# KiCad board panel.opm-inline.kicad_pcb (continued)
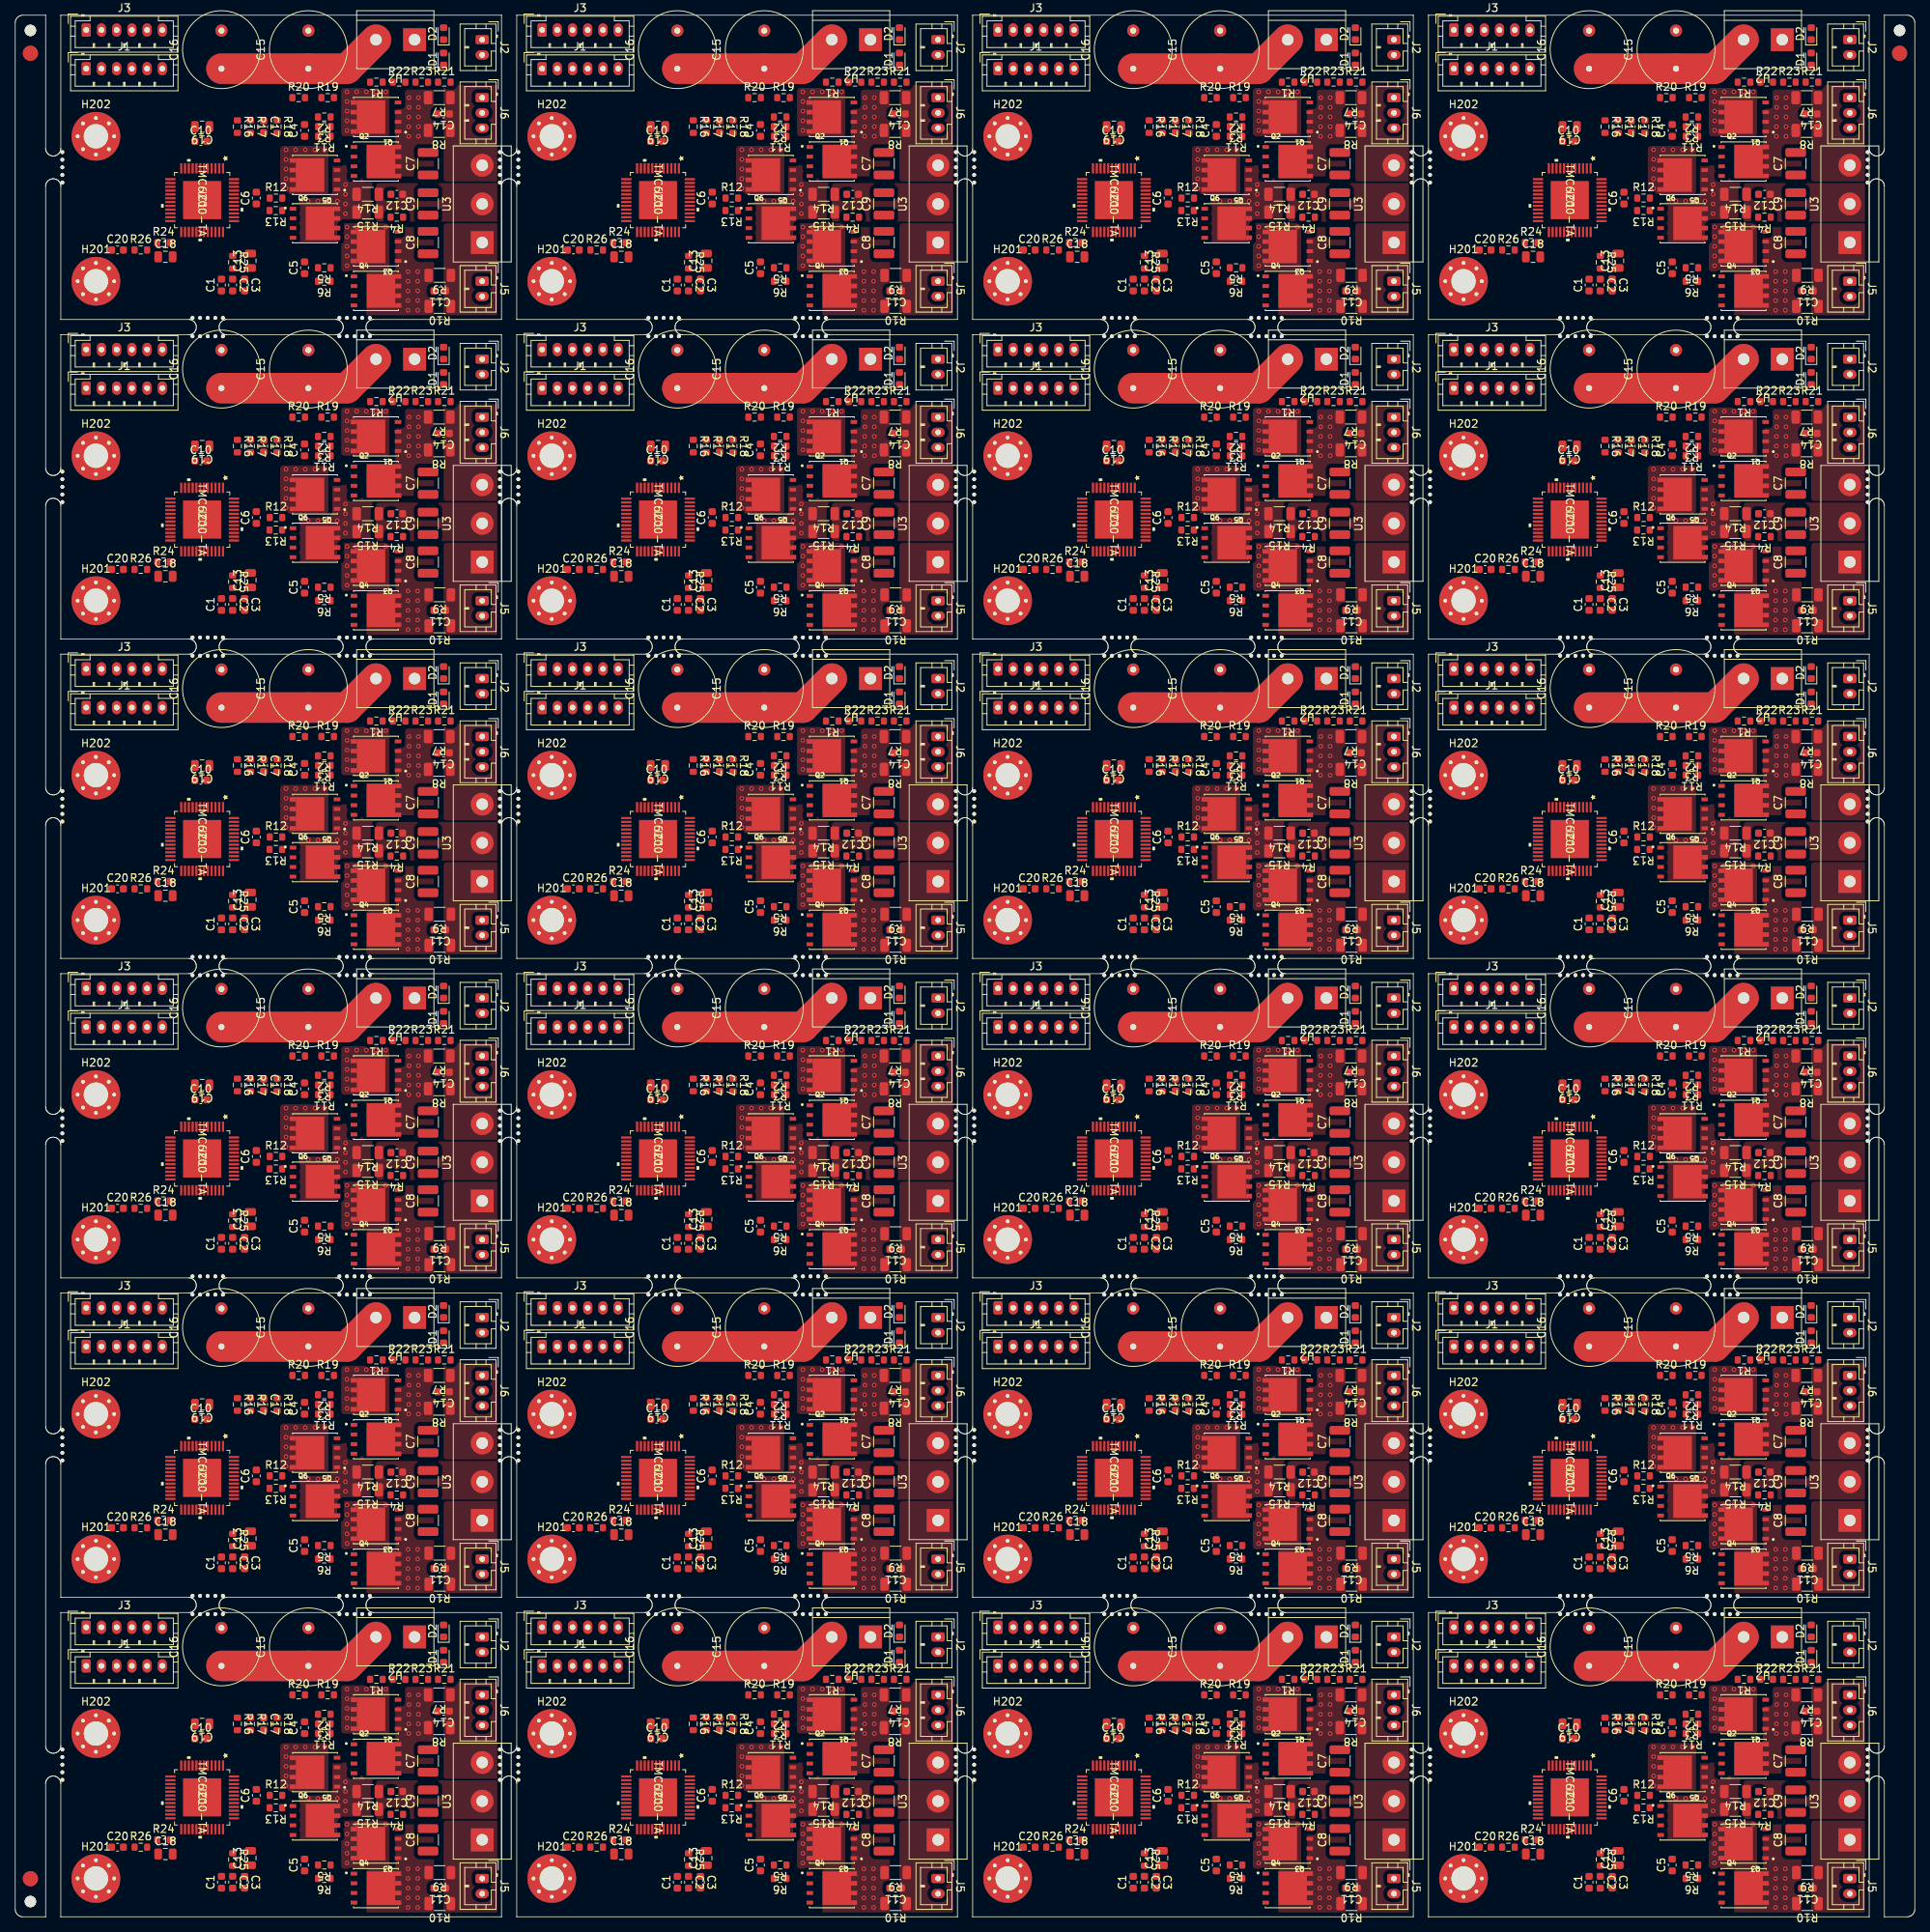
[diagram p0: board, top side]
## Nets
Board_0-/5Vout: C13.1 IC1.7 R25.1
Board_0-/12Vout: C19.1 IC1.6
Board_0-/Connectors/+VCC_IO: J2.1 R21.1 R23.1
Board_0-/Connectors/VCC: R19.2
Board_0-/Motor Driver/+VCC_IO: C20.1 IC1.19
Board_1-/5Vout: C13#2.1 IC1#2.7 R25#2.1
Board_1-/12Vout: C19#2.1 IC1#2.6
Board_1-/Connectors/+VCC_IO: J2#2.1 R21#2.1 R23#2.1
Board_1-/Connectors/VCC: R19#2.2
Board_1-/Motor Driver/+VCC_IO: C20#2.1 IC1#2.19
Board_2-/5Vout: C13#3.1 IC1#3.7 R25#3.1
Board_2-/12Vout: C19#3.1 IC1#3.6
Board_2-/Connectors/+VCC_IO: J2#3.1 R21#3.1 R23#3.1
Board_2-/Connectors/VCC: R19#3.2
Board_2-/Motor Driver/+VCC_IO: C20#3.1 IC1#3.19
Board_3-/5Vout: C13#4.1 IC1#4.7 R25#4.1
Board_3-/12Vout: C19#4.1 IC1#4.6
Board_3-/Connectors/+VCC_IO: J2#4.1 R21#4.1 R23#4.1
Board_3-/Connectors/VCC: R19#4.2
Board_3-/Motor Driver/+VCC_IO: C20#4.1 IC1#4.19
Board_4-/5Vout: C13#5.1 IC1#5.7 R25#5.1
Board_4-/12Vout: C19#5.1 IC1#5.6
Board_4-/Connectors/+VCC_IO: J2#5.1 R21#5.1 R23#5.1
Board_4-/Connectors/VCC: R19#5.2
Board_4-/Motor Driver/+VCC_IO: C20#5.1 IC1#5.19
Board_5-/5Vout: C13#6.1 IC1#6.7 R25#6.1
Board_5-/12Vout: C19#6.1 IC1#6.6
Board_5-/Connectors/+VCC_IO: J2#6.1 R21#6.1 R23#6.1
Board_5-/Connectors/VCC: R19#6.2
Board_5-/Motor Driver/+VCC_IO: C20#6.1 IC1#6.19
Board_6-/5Vout: C13#7.1 IC1#7.7 R25#7.1
Board_6-/12Vout: C19#7.1 IC1#7.6
Board_6-/Connectors/+VCC_IO: J2#7.1 R21#7.1 R23#7.1
Board_6-/Connectors/VCC: R19#7.2
Board_6-/Motor Driver/+VCC_IO: C20#7.1 IC1#7.19
Board_7-/5Vout: C13#8.1 IC1#8.7 R25#8.1
Board_7-/12Vout: C19#8.1 IC1#8.6
Board_7-/Connectors/+VCC_IO: J2#8.1 R21#8.1 R23#8.1
Board_7-/Connectors/VCC: R19#8.2
Board_7-/Motor Driver/+VCC_IO: C20#8.1 IC1#8.19
Board_8-/5Vout: C13#9.1 IC1#9.7 R25#9.1
Board_8-/12Vout: C19#9.1 IC1#9.6
Board_8-/Connectors/+VCC_IO: J2#9.1 R21#9.1 R23#9.1
Board_8-/Connectors/VCC: R19#9.2
Board_8-/Motor Driver/+VCC_IO: C20#9.1 IC1#9.19
Board_9-/5Vout: C13#10.1 IC1#10.7 R25#10.1
Board_9-/12Vout: C19#10.1 IC1#10.6
Board_9-/Connectors/+VCC_IO: J2#10.1 R21#10.1 R23#10.1
Board_9-/Connectors/VCC: R19#10.2
Board_9-/Motor Driver/+VCC_IO: C20#10.1 IC1#10.19
Board_10-/5Vout: C13#11.1 IC1#11.7 R25#11.1
Board_10-/12Vout: C19#11.1 IC1#11.6
Board_10-/Connectors/+VCC_IO: J2#11.1 R21#11.1 R23#11.1
Board_10-/Connectors/VCC: R19#11.2
Board_10-/Motor Driver/+VCC_IO: C20#11.1 IC1#11.19
Board_11-/5Vout: C13#12.1 IC1#12.7 R25#12.1
Board_11-/12Vout: C19#12.1 IC1#12.6
Board_11-/Connectors/+VCC_IO: J2#12.1 R21#12.1 R23#12.1
Board_11-/Connectors/VCC: R19#12.2
Board_11-/Motor Driver/+VCC_IO: C20#12.1 IC1#12.19
Board_12-/5Vout: C13#13.1 IC1#13.7 R25#13.1
Board_12-/12Vout: C19#13.1 IC1#13.6
Board_12-/Connectors/+VCC_IO: J2#13.1 R21#13.1 R23#13.1
Board_12-/Connectors/VCC: R19#13.2
Board_12-/Motor Driver/+VCC_IO: C20#13.1 IC1#13.19
Board_13-/5Vout: C13#14.1 IC1#14.7 R25#14.1
Board_13-/12Vout: C19#14.1 IC1#14.6
Board_13-/Connectors/+VCC_IO: J2#14.1 R21#14.1 R23#14.1
Board_13-/Connectors/VCC: R19#14.2
Board_13-/Motor Driver/+VCC_IO: C20#14.1 IC1#14.19
Board_14-/5Vout: C13#15.1 IC1#15.7 R25#15.1
Board_14-/12Vout: C19#15.1 IC1#15.6
Board_14-/Connectors/+VCC_IO: J2#15.1 R21#15.1 R23#15.1
Board_14-/Connectors/VCC: R19#15.2
Board_14-/Motor Driver/+VCC_IO: C20#15.1 IC1#15.19
Board_15-/5Vout: C13#16.1 IC1#16.7 R25#16.1
Board_15-/12Vout: C19#16.1 IC1#16.6
Board_15-/Connectors/+VCC_IO: J2#16.1 R21#16.1 R23#16.1
Board_15-/Connectors/VCC: R19#16.2
Board_15-/Motor Driver/+VCC_IO: C20#16.1 IC1#16.19
Board_16-/5Vout: C13#17.1 IC1#17.7 R25#17.1
Board_16-/12Vout: C19#17.1 IC1#17.6
Board_16-/Connectors/+VCC_IO: J2#17.1 R21#17.1 R23#17.1
Board_16-/Connectors/VCC: R19#17.2
Board_16-/Motor Driver/+VCC_IO: C20#17.1 IC1#17.19
Board_17-/5Vout: C13#18.1 IC1#18.7 R25#18.1
Board_17-/12Vout: C19#18.1 IC1#18.6
Board_17-/Connectors/+VCC_IO: J2#18.1 R21#18.1 R23#18.1
Board_17-/Connectors/VCC: R19#18.2
Board_17-/Motor Driver/+VCC_IO: C20#18.1 IC1#18.19
Board_18-/5Vout: C13#19.1 IC1#19.7 R25#19.1
Board_18-/12Vout: C19#19.1 IC1#19.6
Board_18-/Connectors/+VCC_IO: J2#19.1 R21#19.1 R23#19.1
Board_18-/Connectors/VCC: R19#19.2
Board_18-/Motor Driver/+VCC_IO: C20#19.1 IC1#19.19
Board_19-/5Vout: C13#20.1 IC1#20.7 R25#20.1
Board_19-/12Vout: C19#20.1 IC1#20.6
Board_19-/Connectors/+VCC_IO: J2#20.1 R21#20.1 R23#20.1
Board_19-/Connectors/VCC: R19#20.2
Board_19-/Motor Driver/+VCC_IO: C20#20.1 IC1#20.19
Board_20-/5Vout: C13#21.1 IC1#21.7 R25#21.1
Board_20-/12Vout: C19#21.1 IC1#21.6
Board_20-/Connectors/+VCC_IO: J2#21.1 R21#21.1 R23#21.1
Board_20-/Connectors/VCC: R19#21.2
Board_20-/Motor Driver/+VCC_IO: C20#21.1 IC1#21.19
Board_21-/5Vout: C13#22.1 IC1#22.7 R25#22.1
Board_21-/12Vout: C19#22.1 IC1#22.6
Board_21-/Connectors/+VCC_IO: J2#22.1 R21#22.1 R23#22.1
Board_21-/Connectors/VCC: R19#22.2
Board_21-/Motor Driver/+VCC_IO: C20#22.1 IC1#22.19
Board_22-/5Vout: C13#23.1 IC1#23.7 R25#23.1
Board_22-/12Vout: C19#23.1 IC1#23.6
Board_22-/Connectors/+VCC_IO: J2#23.1 R21#23.1 R23#23.1
Board_22-/Connectors/VCC: R19#23.2
Board_22-/Motor Driver/+VCC_IO: C20#23.1 IC1#23.19
Board_23-/5Vout: C13#24.1 IC1#24.7 R25#24.1
Board_23-/12Vout: C19#24.1 IC1#24.6
Board_23-/Connectors/+VCC_IO: J2#24.1 R21#24.1 R23#24.1
Board_23-/Connectors/VCC: R19#24.2
Board_23-/Motor Driver/+VCC_IO: C20#24.1 IC1#24.19
Board_0-/+VM: C2.1 C3.1 C7.1 C8.1 C9.1 C15.1 C16.1 IC1.33 Q1.5 Q1.6 Q1.7 Q1.8 Q3.5 Q3.6 Q3.7 Q3.8 Q5.5 Q5.6 Q5.7 Q5.8 R25.2 U2.2
Board_0-/ADC_I_u: IC1.9 J6.1
Board_0-/ADC_I_v: J6.2
Board_0-/ADC_I_w: IC1.11 J6.3
Board_0-/Connectors/FAULT: J1.6
Board_0-/Connectors/Fault: R20.2
Board_0-/Connectors/VOFS: R21.2 R22.1
Board_0-/DRV_EN: IC1.27 J1.5
Board_0-/Motor Driver/ADC_I_v: IC1.10
Board_0-/Motor Driver/VOFS: C10.1 IC1.12
Board_0-/SPE: IC1.25 R23.2 R24.1
Board_0-/SPI1_MISO: IC1.16 J1.4
Board_0-/SPI1_MOSI: IC1.15 J1.3
Board_0-/SPI1_SCK: IC1.14 J1.2
Board_0-/U: C14.1 R2.1 R7.1 R8.1 U3.3
Board_0-/UH: IC1.17 J3.6
Board_0-/UL: IC1.18 J3.5
Board_0-/V: C12.1 R12.1 R14.1 R15.1 U3.2
Board_0-/VH: IC1.20 J3.4
Board_0-/VL: IC1.21 J3.3
Board_0-/VSA: C18.1 IC1.29
Board_0-/W: C11.1 R5.1 R9.1 R10.1 U3.1
Board_0-/WH: IC1.22 J3.2
Board_0-/WL: IC1.23 J3.1
Board_0-/~{CS_DRIVER}: IC1.13 J1.1
Board_0-GND: C3.2 C7.2 C8.2 C9.2 C10.2 C11.2 C12.2 C13.2 C14.2 C15.2 C16.2 C17.2 C18.2 C19.2 C20.2 D1.1 D2.1 H201.1 H202.1 IC1.8 IC1.EPAD J2.2 J5.2 Q2.1 Q2.2 Q2.3 Q4.1 Q4.2 Q4.3 Q6.1 Q6.2 Q6.3 R18.2 R22.2 R24.2 R26.2 U2.1
Board_0-Net-(C1-Pad1): C1.1 IC1.30
Board_0-Net-(C1-Pad2): C1.2 IC1.32
Board_0-Net-(C2-Pad2): C2.2 IC1.34
Board_0-Net-(C4-Pad1): C4.1 IC1.47 Q1.1 Q1.2 Q1.3 Q2.5 Q2.6 Q2.7 Q2.8 R7.2 R8.2
Board_0-Net-(C4-Pad2): C4.2 IC1.1
Board_0-Net-(C5-Pad1): C5.1 IC1.36
Board_0-Net-(C5-Pad2): C5.2 IC1.38 Q3.1 Q3.2 Q3.3 Q4.5 Q4.6 Q4.7 Q4.8 R9.2 R10.2
Board_0-Net-(C6-Pad1): C6.1 IC1.42 Q5.1 Q5.2 Q5.3 Q6.5 Q6.6 Q6.7 Q6.8 R14.2 R15.2
Board_0-Net-(C6-Pad2): C6.2 IC1.44
Board_0-Net-(C17-Pad1): C17.1 J5.1 R17.2 R18.1
Board_0-Net-(D1-Pad2): D1.2 R19.1
Board_0-Net-(D2-Pad2): D2.2 R20.1
Board_0-Net-(IC1-Pad3): IC1.3 R6.2
Board_0-Net-(IC1-Pad4): IC1.4 R13.2
Board_0-Net-(IC1-Pad5): IC1.5 R3.2
Board_0-Net-(IC1-Pad24): IC1.24 R26.1
Board_0-Net-(IC1-Pad26): IC1.26
Board_0-Net-(IC1-Pad37): IC1.37 R4.2
Board_0-Net-(IC1-Pad39): IC1.39 R5.2
Board_0-Net-(IC1-Pad41): IC1.41 R12.2
Board_0-Net-(IC1-Pad43): IC1.43 R11.2
Board_0-Net-(IC1-Pad46): IC1.46 R2.2
Board_0-Net-(IC1-Pad48): IC1.48 R1.2
Board_0-Net-(Q1-Pad4): Q1.4 R1.1
Board_0-Net-(Q2-Pad4): Q2.4 R3.1
Board_0-Net-(Q3-Pad4): Q3.4 R4.1
Board_0-Net-(Q4-Pad4): Q4.4 R6.1
Board_0-Net-(Q5-Pad4): Q5.4 R11.1
Board_0-Net-(Q6-Pad4): Q6.4 R13.1
Board_0-Net-(R16-Pad1): R16.1
Board_0-Net-(R16-Pad2): R16.2 R17.1
Board_1-/+VM: C2#2.1 C3#2.1 C7#2.1 C8#2.1 C9#2.1 C15#2.1 C16#2.1 IC1#2.33 Q1#2.5 Q1#2.6 Q1#2.7 Q1#2.8 Q3#2.5 Q3#2.6 Q3#2.7 Q3#2.8 Q5#2.5 Q5#2.6 Q5#2.7 Q5#2.8 R25#2.2 U2#2.2
Board_1-/ADC_I_u: IC1#2.9 J6#2.1
Board_1-/ADC_I_v: J6#2.2
Board_1-/ADC_I_w: IC1#2.11 J6#2.3
Board_1-/Connectors/FAULT: J1#2.6
Board_1-/Connectors/Fault: R20#2.2
Board_1-/Connectors/VOFS: R21#2.2 R22#2.1
Board_1-/DRV_EN: IC1#2.27 J1#2.5
Board_1-/Motor Driver/ADC_I_v: IC1#2.10
Board_1-/Motor Driver/VOFS: C10#2.1 IC1#2.12
Board_1-/SPE: IC1#2.25 R23#2.2 R24#2.1
Board_1-/SPI1_MISO: IC1#2.16 J1#2.4
Board_1-/SPI1_MOSI: IC1#2.15 J1#2.3
Board_1-/SPI1_SCK: IC1#2.14 J1#2.2
Board_1-/U: C14#2.1 R2#2.1 R7#2.1 R8#2.1 U3#2.3
Board_1-/UH: IC1#2.17 J3#2.6
Board_1-/UL: IC1#2.18 J3#2.5
Board_1-/V: C12#2.1 R12#2.1 R14#2.1 R15#2.1 U3#2.2
Board_1-/VH: IC1#2.20 J3#2.4
Board_1-/VL: IC1#2.21 J3#2.3
Board_1-/VSA: C18#2.1 IC1#2.29
Board_1-/W: C11#2.1 R5#2.1 R9#2.1 R10#2.1 U3#2.1
Board_1-/WH: IC1#2.22 J3#2.2
Board_1-/WL: IC1#2.23 J3#2.1
Board_1-/~{CS_DRIVER}: IC1#2.13 J1#2.1
Board_1-GND: C3#2.2 C7#2.2 C8#2.2 C9#2.2 C10#2.2 C11#2.2 C12#2.2 C13#2.2 C14#2.2 C15#2.2 C16#2.2 C17#2.2 C18#2.2 C19#2.2 C20#2.2 D1#2.1 D2#2.1 H201#2.1 H202#2.1 IC1#2.8 IC1#2.EPAD J2#2.2 J5#2.2 Q2#2.1 Q2#2.2 Q2#2.3 Q4#2.1 Q4#2.2 Q4#2.3 Q6#2.1 Q6#2.2 Q6#2.3 R18#2.2 R22#2.2 R24#2.2 R26#2.2 U2#2.1
Board_1-Net-(C1-Pad1): C1#2.1 IC1#2.30
Board_1-Net-(C1-Pad2): C1#2.2 IC1#2.32
Board_1-Net-(C2-Pad2): C2#2.2 IC1#2.34
Board_1-Net-(C4-Pad1): C4#2.1 IC1#2.47 Q1#2.1 Q1#2.2 Q1#2.3 Q2#2.5 Q2#2.6 Q2#2.7 Q2#2.8 R7#2.2 R8#2.2
Board_1-Net-(C4-Pad2): C4#2.2 IC1#2.1
Board_1-Net-(C5-Pad1): C5#2.1 IC1#2.36
Board_1-Net-(C5-Pad2): C5#2.2 IC1#2.38 Q3#2.1 Q3#2.2 Q3#2.3 Q4#2.5 Q4#2.6 Q4#2.7 Q4#2.8 R9#2.2 R10#2.2
Board_1-Net-(C6-Pad1): C6#2.1 IC1#2.42 Q5#2.1 Q5#2.2 Q5#2.3 Q6#2.5 Q6#2.6 Q6#2.7 Q6#2.8 R14#2.2 R15#2.2
Board_1-Net-(C6-Pad2): C6#2.2 IC1#2.44
Board_1-Net-(C17-Pad1): C17#2.1 J5#2.1 R17#2.2 R18#2.1
Board_1-Net-(D1-Pad2): D1#2.2 R19#2.1
Board_1-Net-(D2-Pad2): D2#2.2 R20#2.1
Board_1-Net-(IC1-Pad3): IC1#2.3 R6#2.2
Board_1-Net-(IC1-Pad4): IC1#2.4 R13#2.2
Board_1-Net-(IC1-Pad5): IC1#2.5 R3#2.2
Board_1-Net-(IC1-Pad24): IC1#2.24 R26#2.1
Board_1-Net-(IC1-Pad26): IC1#2.26
Board_1-Net-(IC1-Pad37): IC1#2.37 R4#2.2
Board_1-Net-(IC1-Pad39): IC1#2.39 R5#2.2
Board_1-Net-(IC1-Pad41): IC1#2.41 R12#2.2
Board_1-Net-(IC1-Pad43): IC1#2.43 R11#2.2
Board_1-Net-(IC1-Pad46): IC1#2.46 R2#2.2
Board_1-Net-(IC1-Pad48): IC1#2.48 R1#2.2
Board_1-Net-(Q1-Pad4): Q1#2.4 R1#2.1
Board_1-Net-(Q2-Pad4): Q2#2.4 R3#2.1
Board_1-Net-(Q3-Pad4): Q3#2.4 R4#2.1
Board_1-Net-(Q4-Pad4): Q4#2.4 R6#2.1
Board_1-Net-(Q5-Pad4): Q5#2.4 R11#2.1
Board_1-Net-(Q6-Pad4): Q6#2.4 R13#2.1
Board_1-Net-(R16-Pad1): R16#2.1
Board_1-Net-(R16-Pad2): R16#2.2 R17#2.1
Board_2-/+VM: C2#3.1 C3#3.1 C7#3.1 C8#3.1 C9#3.1 C15#3.1 C16#3.1 IC1#3.33 Q1#3.5 Q1#3.6 Q1#3.7 Q1#3.8 Q3#3.5 Q3#3.6 Q3#3.7 Q3#3.8 Q5#3.5 Q5#3.6 Q5#3.7 Q5#3.8 R25#3.2 U2#3.2
Board_2-/ADC_I_u: IC1#3.9 J6#3.1
Board_2-/ADC_I_v: J6#3.2
Board_2-/ADC_I_w: IC1#3.11 J6#3.3
Board_2-/Connectors/FAULT: J1#3.6
Board_2-/Connectors/Fault: R20#3.2
Board_2-/Connectors/VOFS: R21#3.2 R22#3.1
Board_2-/DRV_EN: IC1#3.27 J1#3.5
Board_2-/Motor Driver/ADC_I_v: IC1#3.10
Board_2-/Motor Driver/VOFS: C10#3.1 IC1#3.12
Board_2-/SPE: IC1#3.25 R23#3.2 R24#3.1
Board_2-/SPI1_MISO: IC1#3.16 J1#3.4
Board_2-/SPI1_MOSI: IC1#3.15 J1#3.3
Board_2-/SPI1_SCK: IC1#3.14 J1#3.2
Board_2-/U: C14#3.1 R2#3.1 R7#3.1 R8#3.1 U3#3.3
Board_2-/UH: IC1#3.17 J3#3.6
Board_2-/UL: IC1#3.18 J3#3.5
Board_2-/V: C12#3.1 R12#3.1 R14#3.1 R15#3.1 U3#3.2
Board_2-/VH: IC1#3.20 J3#3.4
Board_2-/VL: IC1#3.21 J3#3.3
Board_2-/VSA: C18#3.1 IC1#3.29
Board_2-/W: C11#3.1 R5#3.1 R9#3.1 R10#3.1 U3#3.1
Board_2-/WH: IC1#3.22 J3#3.2
Board_2-/WL: IC1#3.23 J3#3.1
Board_2-/~{CS_DRIVER}: IC1#3.13 J1#3.1
Board_2-GND: C3#3.2 C7#3.2 C8#3.2 C9#3.2 C10#3.2 C11#3.2 C12#3.2 C13#3.2 C14#3.2 C15#3.2 C16#3.2 C17#3.2 C18#3.2 C19#3.2 C20#3.2 D1#3.1 D2#3.1 H201#3.1 H202#3.1 IC1#3.8 IC1#3.EPAD J2#3.2 J5#3.2 Q2#3.1 Q2#3.2 Q2#3.3 Q4#3.1 Q4#3.2 Q4#3.3 Q6#3.1 Q6#3.2 Q6#3.3 R18#3.2 R22#3.2 R24#3.2 R26#3.2 U2#3.1
Board_2-Net-(C1-Pad1): C1#3.1 IC1#3.30
Board_2-Net-(C1-Pad2): C1#3.2 IC1#3.32
Board_2-Net-(C2-Pad2): C2#3.2 IC1#3.34
Board_2-Net-(C4-Pad1): C4#3.1 IC1#3.47 Q1#3.1 Q1#3.2 Q1#3.3 Q2#3.5 Q2#3.6 Q2#3.7 Q2#3.8 R7#3.2 R8#3.2
Board_2-Net-(C4-Pad2): C4#3.2 IC1#3.1
Board_2-Net-(C5-Pad1): C5#3.1 IC1#3.36
Board_2-Net-(C5-Pad2): C5#3.2 IC1#3.38 Q3#3.1 Q3#3.2 Q3#3.3 Q4#3.5 Q4#3.6 Q4#3.7 Q4#3.8 R9#3.2 R10#3.2
Board_2-Net-(C6-Pad1): C6#3.1 IC1#3.42 Q5#3.1 Q5#3.2 Q5#3.3 Q6#3.5 Q6#3.6 Q6#3.7 Q6#3.8 R14#3.2 R15#3.2
Board_2-Net-(C6-Pad2): C6#3.2 IC1#3.44
Board_2-Net-(C17-Pad1): C17#3.1 J5#3.1 R17#3.2 R18#3.1
Board_2-Net-(D1-Pad2): D1#3.2 R19#3.1
Board_2-Net-(D2-Pad2): D2#3.2 R20#3.1
Board_2-Net-(IC1-Pad3): IC1#3.3 R6#3.2
Board_2-Net-(IC1-Pad4): IC1#3.4 R13#3.2
Board_2-Net-(IC1-Pad5): IC1#3.5 R3#3.2
Board_2-Net-(IC1-Pad24): IC1#3.24 R26#3.1
Board_2-Net-(IC1-Pad26): IC1#3.26
Board_2-Net-(IC1-Pad37): IC1#3.37 R4#3.2
Board_2-Net-(IC1-Pad39): IC1#3.39 R5#3.2
Board_2-Net-(IC1-Pad41): IC1#3.41 R12#3.2
Board_2-Net-(IC1-Pad43): IC1#3.43 R11#3.2
Board_2-Net-(IC1-Pad46): IC1#3.46 R2#3.2
Board_2-Net-(IC1-Pad48): IC1#3.48 R1#3.2
Board_2-Net-(Q1-Pad4): Q1#3.4 R1#3.1
Board_2-Net-(Q2-Pad4): Q2#3.4 R3#3.1
Board_2-Net-(Q3-Pad4): Q3#3.4 R4#3.1
Board_2-Net-(Q4-Pad4): Q4#3.4 R6#3.1
Board_2-Net-(Q5-Pad4): Q5#3.4 R11#3.1
Board_2-Net-(Q6-Pad4): Q6#3.4 R13#3.1
Board_2-Net-(R16-Pad1): R16#3.1
Board_2-Net-(R16-Pad2): R16#3.2 R17#3.1
Board_3-/+VM: C2#4.1 C3#4.1 C7#4.1 C8#4.1 C9#4.1 C15#4.1 C16#4.1 IC1#4.33 Q1#4.5 Q1#4.6 Q1#4.7 Q1#4.8 Q3#4.5 Q3#4.6 Q3#4.7 Q3#4.8 Q5#4.5 Q5#4.6 Q5#4.7 Q5#4.8 R25#4.2 U2#4.2
Board_3-/ADC_I_u: IC1#4.9 J6#4.1
Board_3-/ADC_I_v: J6#4.2
Board_3-/ADC_I_w: IC1#4.11 J6#4.3
Board_3-/Connectors/FAULT: J1#4.6
Board_3-/Connectors/Fault: R20#4.2
Board_3-/Connectors/VOFS: R21#4.2 R22#4.1
Board_3-/DRV_EN: IC1#4.27 J1#4.5
Board_3-/Motor Driver/ADC_I_v: IC1#4.10
Board_3-/Motor Driver/VOFS: C10#4.1 IC1#4.12
Board_3-/SPE: IC1#4.25 R23#4.2 R24#4.1
Board_3-/SPI1_MISO: IC1#4.16 J1#4.4
Board_3-/SPI1_MOSI: IC1#4.15 J1#4.3
Board_3-/SPI1_SCK: IC1#4.14 J1#4.2
Board_3-/U: C14#4.1 R2#4.1 R7#4.1 R8#4.1 U3#4.3
Board_3-/UH: IC1#4.17 J3#4.6
Board_3-/UL: IC1#4.18 J3#4.5
Board_3-/V: C12#4.1 R12#4.1 R14#4.1 R15#4.1 U3#4.2
Board_3-/VH: IC1#4.20 J3#4.4
Board_3-/VL: IC1#4.21 J3#4.3
Board_3-/VSA: C18#4.1 IC1#4.29
Board_3-/W: C11#4.1 R5#4.1 R9#4.1 R10#4.1 U3#4.1
Board_3-/WH: IC1#4.22 J3#4.2
Board_3-/WL: IC1#4.23 J3#4.1
Board_3-/~{CS_DRIVER}: IC1#4.13 J1#4.1
Board_3-GND: C3#4.2 C7#4.2 C8#4.2 C9#4.2 C10#4.2 C11#4.2 C12#4.2 C13#4.2 C14#4.2 C15#4.2 C16#4.2 C17#4.2 C18#4.2 C19#4.2 C20#4.2 D1#4.1 D2#4.1 H201#4.1 H202#4.1 IC1#4.8 IC1#4.EPAD J2#4.2 J5#4.2 Q2#4.1 Q2#4.2 Q2#4.3 Q4#4.1 Q4#4.2 Q4#4.3 Q6#4.1 Q6#4.2 Q6#4.3 R18#4.2 R22#4.2 R24#4.2 R26#4.2 U2#4.1
Board_3-Net-(C1-Pad1): C1#4.1 IC1#4.30
Board_3-Net-(C1-Pad2): C1#4.2 IC1#4.32
Board_3-Net-(C2-Pad2): C2#4.2 IC1#4.34
Board_3-Net-(C4-Pad1): C4#4.1 IC1#4.47 Q1#4.1 Q1#4.2 Q1#4.3 Q2#4.5 Q2#4.6 Q2#4.7 Q2#4.8 R7#4.2 R8#4.2
Board_3-Net-(C4-Pad2): C4#4.2 IC1#4.1
Board_3-Net-(C5-Pad1): C5#4.1 IC1#4.36
Board_3-Net-(C5-Pad2): C5#4.2 IC1#4.38 Q3#4.1 Q3#4.2 Q3#4.3 Q4#4.5 Q4#4.6 Q4#4.7 Q4#4.8 R9#4.2 R10#4.2
Board_3-Net-(C6-Pad1): C6#4.1 IC1#4.42 Q5#4.1 Q5#4.2 Q5#4.3 Q6#4.5 Q6#4.6 Q6#4.7 Q6#4.8 R14#4.2 R15#4.2
Board_3-Net-(C6-Pad2): C6#4.2 IC1#4.44
Board_3-Net-(C17-Pad1): C17#4.1 J5#4.1 R17#4.2 R18#4.1
Board_3-Net-(D1-Pad2): D1#4.2 R19#4.1
Board_3-Net-(D2-Pad2): D2#4.2 R20#4.1
Board_3-Net-(IC1-Pad3): IC1#4.3 R6#4.2
Board_3-Net-(IC1-Pad4): IC1#4.4 R13#4.2
Board_3-Net-(IC1-Pad5): IC1#4.5 R3#4.2
Board_3-Net-(IC1-Pad24): IC1#4.24 R26#4.1
Board_3-Net-(IC1-Pad26): IC1#4.26
Board_3-Net-(IC1-Pad37): IC1#4.37 R4#4.2
Board_3-Net-(IC1-Pad39): IC1#4.39 R5#4.2
Board_3-Net-(IC1-Pad41): IC1#4.41 R12#4.2
Board_3-Net-(IC1-Pad43): IC1#4.43 R11#4.2
Board_3-Net-(IC1-Pad46): IC1#4.46 R2#4.2
Board_3-Net-(IC1-Pad48): IC1#4.48 R1#4.2
Board_3-Net-(Q1-Pad4): Q1#4.4 R1#4.1
Board_3-Net-(Q2-Pad4): Q2#4.4 R3#4.1
Board_3-Net-(Q3-Pad4): Q3#4.4 R4#4.1
Board_3-Net-(Q4-Pad4): Q4#4.4 R6#4.1
Board_3-Net-(Q5-Pad4): Q5#4.4 R11#4.1
Board_3-Net-(Q6-Pad4): Q6#4.4 R13#4.1
Board_3-Net-(R16-Pad1): R16#4.1
Board_3-Net-(R16-Pad2): R16#4.2 R17#4.1
Board_4-/+VM: C2#5.1 C3#5.1 C7#5.1 C8#5.1 C9#5.1 C15#5.1 C16#5.1 IC1#5.33 Q1#5.5 Q1#5.6 Q1#5.7 Q1#5.8 Q3#5.5 Q3#5.6 Q3#5.7 Q3#5.8 Q5#5.5 Q5#5.6 Q5#5.7 Q5#5.8 R25#5.2 U2#5.2
Board_4-/ADC_I_u: IC1#5.9 J6#5.1
Board_4-/ADC_I_v: J6#5.2
Board_4-/ADC_I_w: IC1#5.11 J6#5.3
Board_4-/Connectors/FAULT: J1#5.6
Board_4-/Connectors/Fault: R20#5.2
Board_4-/Connectors/VOFS: R21#5.2 R22#5.1
Board_4-/DRV_EN: IC1#5.27 J1#5.5
Board_4-/Motor Driver/ADC_I_v: IC1#5.10
Board_4-/Motor Driver/VOFS: C10#5.1 IC1#5.12
Board_4-/SPE: IC1#5.25 R23#5.2 R24#5.1
Board_4-/SPI1_MISO: IC1#5.16 J1#5.4
Board_4-/SPI1_MOSI: IC1#5.15 J1#5.3
Board_4-/SPI1_SCK: IC1#5.14 J1#5.2
Board_4-/U: C14#5.1 R2#5.1 R7#5.1 R8#5.1 U3#5.3
Board_4-/UH: IC1#5.17 J3#5.6
Board_4-/UL: IC1#5.18 J3#5.5
Board_4-/V: C12#5.1 R12#5.1 R14#5.1 R15#5.1 U3#5.2
Board_4-/VH: IC1#5.20 J3#5.4
Board_4-/VL: IC1#5.21 J3#5.3
Board_4-/VSA: C18#5.1 IC1#5.29
Board_4-/W: C11#5.1 R5#5.1 R9#5.1 R10#5.1 U3#5.1
Board_4-/WH: IC1#5.22 J3#5.2
Board_4-/WL: IC1#5.23 J3#5.1
Board_4-/~{CS_DRIVER}: IC1#5.13 J1#5.1
Board_4-GND: C3#5.2 C7#5.2 C8#5.2 C9#5.2 C10#5.2 C11#5.2 C12#5.2 C13#5.2 C14#5.2 C15#5.2 C16#5.2 C17#5.2 C18#5.2 C19#5.2 C20#5.2 D1#5.1 D2#5.1 H201#5.1 H202#5.1 IC1#5.8 IC1#5.EPAD J2#5.2 J5#5.2 Q2#5.1 Q2#5.2 Q2#5.3 Q4#5.1 Q4#5.2 Q4#5.3 Q6#5.1 Q6#5.2 Q6#5.3 R18#5.2 R22#5.2 R24#5.2 R26#5.2 U2#5.1
Board_4-Net-(C1-Pad1): C1#5.1 IC1#5.30
Board_4-Net-(C1-Pad2): C1#5.2 IC1#5.32
Board_4-Net-(C2-Pad2): C2#5.2 IC1#5.34
Board_4-Net-(C4-Pad1): C4#5.1 IC1#5.47 Q1#5.1 Q1#5.2 Q1#5.3 Q2#5.5 Q2#5.6 Q2#5.7 Q2#5.8 R7#5.2 R8#5.2
Board_4-Net-(C4-Pad2): C4#5.2 IC1#5.1
Board_4-Net-(C5-Pad1): C5#5.1 IC1#5.36
Board_4-Net-(C5-Pad2): C5#5.2 IC1#5.38 Q3#5.1 Q3#5.2 Q3#5.3 Q4#5.5 Q4#5.6 Q4#5.7 Q4#5.8 R9#5.2 R10#5.2
Board_4-Net-(C6-Pad1): C6#5.1 IC1#5.42 Q5#5.1 Q5#5.2 Q5#5.3 Q6#5.5 Q6#5.6 Q6#5.7 Q6#5.8 R14#5.2 R15#5.2
Board_4-Net-(C6-Pad2): C6#5.2 IC1#5.44
Board_4-Net-(C17-Pad1): C17#5.1 J5#5.1 R17#5.2 R18#5.1
Board_4-Net-(D1-Pad2): D1#5.2 R19#5.1
Board_4-Net-(D2-Pad2): D2#5.2 R20#5.1
Board_4-Net-(IC1-Pad3): IC1#5.3 R6#5.2
Board_4-Net-(IC1-Pad4): IC1#5.4 R13#5.2
Board_4-Net-(IC1-Pad5): IC1#5.5 R3#5.2
Board_4-Net-(IC1-Pad24): IC1#5.24 R26#5.1
Board_4-Net-(IC1-Pad26): IC1#5.26
Board_4-Net-(IC1-Pad37): IC1#5.37 R4#5.2
Board_4-Net-(IC1-Pad39): IC1#5.39 R5#5.2
Board_4-Net-(IC1-Pad41): IC1#5.41 R12#5.2
Board_4-Net-(IC1-Pad43): IC1#5.43 R11#5.2
Board_4-Net-(IC1-Pad46): IC1#5.46 R2#5.2
Board_4-Net-(IC1-Pad48): IC1#5.48 R1#5.2
Board_4-Net-(Q1-Pad4): Q1#5.4 R1#5.1
Board_4-Net-(Q2-Pad4): Q2#5.4 R3#5.1
Board_4-Net-(Q3-Pad4): Q3#5.4 R4#5.1
Board_4-Net-(Q4-Pad4): Q4#5.4 R6#5.1
Board_4-Net-(Q5-Pad4): Q5#5.4 R11#5.1
Board_4-Net-(Q6-Pad4): Q6#5.4 R13#5.1
Board_4-Net-(R16-Pad1): R16#5.1
Board_4-Net-(R16-Pad2): R16#5.2 R17#5.1
Board_5-/+VM: C2#6.1 C3#6.1 C7#6.1 C8#6.1 C9#6.1 C15#6.1 C16#6.1 IC1#6.33 Q1#6.5 Q1#6.6 Q1#6.7 Q1#6.8 Q3#6.5 Q3#6.6 Q3#6.7 Q3#6.8 Q5#6.5 Q5#6.6 Q5#6.7 Q5#6.8 R25#6.2 U2#6.2
Board_5-/ADC_I_u: IC1#6.9 J6#6.1
Board_5-/ADC_I_v: J6#6.2
Board_5-/ADC_I_w: IC1#6.11 J6#6.3
Board_5-/Connectors/FAULT: J1#6.6
Board_5-/Connectors/Fault: R20#6.2
Board_5-/Connectors/VOFS: R21#6.2 R22#6.1
Board_5-/DRV_EN: IC1#6.27 J1#6.5
Board_5-/Motor Driver/ADC_I_v: IC1#6.10
Board_5-/Motor Driver/VOFS: C10#6.1 IC1#6.12
Board_5-/SPE: IC1#6.25 R23#6.2 R24#6.1
Board_5-/SPI1_MISO: IC1#6.16 J1#6.4
Board_5-/SPI1_MOSI: IC1#6.15 J1#6.3
Board_5-/SPI1_SCK: IC1#6.14 J1#6.2
Board_5-/U: C14#6.1 R2#6.1 R7#6.1 R8#6.1 U3#6.3
Board_5-/UH: IC1#6.17 J3#6.6
Board_5-/UL: IC1#6.18 J3#6.5
Board_5-/V: C12#6.1 R12#6.1 R14#6.1 R15#6.1 U3#6.2
Board_5-/VH: IC1#6.20 J3#6.4
Board_5-/VL: IC1#6.21 J3#6.3
Board_5-/VSA: C18#6.1 IC1#6.29
Board_5-/W: C11#6.1 R5#6.1 R9#6.1 R10#6.1 U3#6.1
Board_5-/WH: IC1#6.22 J3#6.2
Board_5-/WL: IC1#6.23 J3#6.1
Board_5-/~{CS_DRIVER}: IC1#6.13 J1#6.1
Board_5-GND: C3#6.2 C7#6.2 C8#6.2 C9#6.2 C10#6.2 C11#6.2 C12#6.2 C13#6.2 C14#6.2 C15#6.2 C16#6.2 C17#6.2 C18#6.2 C19#6.2 C20#6.2 D1#6.1 D2#6.1 H201#6.1 H202#6.1 IC1#6.8 IC1#6.EPAD J2#6.2 J5#6.2 Q2#6.1 Q2#6.2 Q2#6.3 Q4#6.1 Q4#6.2 Q4#6.3 Q6#6.1 Q6#6.2 Q6#6.3 R18#6.2 R22#6.2 R24#6.2 R26#6.2 U2#6.1
Board_5-Net-(C1-Pad1): C1#6.1 IC1#6.30
Board_5-Net-(C1-Pad2): C1#6.2 IC1#6.32
Board_5-Net-(C2-Pad2): C2#6.2 IC1#6.34
Board_5-Net-(C4-Pad1): C4#6.1 IC1#6.47 Q1#6.1 Q1#6.2 Q1#6.3 Q2#6.5 Q2#6.6 Q2#6.7 Q2#6.8 R7#6.2 R8#6.2
Board_5-Net-(C4-Pad2): C4#6.2 IC1#6.1
Board_5-Net-(C5-Pad1): C5#6.1 IC1#6.36
Board_5-Net-(C5-Pad2): C5#6.2 IC1#6.38 Q3#6.1 Q3#6.2 Q3#6.3 Q4#6.5 Q4#6.6 Q4#6.7 Q4#6.8 R9#6.2 R10#6.2
Board_5-Net-(C6-Pad1): C6#6.1 IC1#6.42 Q5#6.1 Q5#6.2 Q5#6.3 Q6#6.5 Q6#6.6 Q6#6.7 Q6#6.8 R14#6.2 R15#6.2
Board_5-Net-(C6-Pad2): C6#6.2 IC1#6.44
Board_5-Net-(C17-Pad1): C17#6.1 J5#6.1 R17#6.2 R18#6.1
Board_5-Net-(D1-Pad2): D1#6.2 R19#6.1
Board_5-Net-(D2-Pad2): D2#6.2 R20#6.1
Board_5-Net-(IC1-Pad3): IC1#6.3 R6#6.2
Board_5-Net-(IC1-Pad4): IC1#6.4 R13#6.2
Board_5-Net-(IC1-Pad5): IC1#6.5 R3#6.2
Board_5-Net-(IC1-Pad24): IC1#6.24 R26#6.1
Board_5-Net-(IC1-Pad26): IC1#6.26
Board_5-Net-(IC1-Pad37): IC1#6.37 R4#6.2
Board_5-Net-(IC1-Pad39): IC1#6.39 R5#6.2
Board_5-Net-(IC1-Pad41): IC1#6.41 R12#6.2
Board_5-Net-(IC1-Pad43): IC1#6.43 R11#6.2
Board_5-Net-(IC1-Pad46): IC1#6.46 R2#6.2
Board_5-Net-(IC1-Pad48): IC1#6.48 R1#6.2
Board_5-Net-(Q1-Pad4): Q1#6.4 R1#6.1
Board_5-Net-(Q2-Pad4): Q2#6.4 R3#6.1
Board_5-Net-(Q3-Pad4): Q3#6.4 R4#6.1
Board_5-Net-(Q4-Pad4): Q4#6.4 R6#6.1
Board_5-Net-(Q5-Pad4): Q5#6.4 R11#6.1
Board_5-Net-(Q6-Pad4): Q6#6.4 R13#6.1
Board_5-Net-(R16-Pad1): R16#6.1
Board_5-Net-(R16-Pad2): R16#6.2 R17#6.1
Board_6-/+VM: C2#7.1 C3#7.1 C7#7.1 C8#7.1 C9#7.1 C15#7.1 C16#7.1 IC1#7.33 Q1#7.5 Q1#7.6 Q1#7.7 Q1#7.8 Q3#7.5 Q3#7.6 Q3#7.7 Q3#7.8 Q5#7.5 Q5#7.6 Q5#7.7 Q5#7.8 R25#7.2 U2#7.2
Board_6-/ADC_I_u: IC1#7.9 J6#7.1
Board_6-/ADC_I_v: J6#7.2
Board_6-/ADC_I_w: IC1#7.11 J6#7.3
Board_6-/Connectors/FAULT: J1#7.6
Board_6-/Connectors/Fault: R20#7.2
Board_6-/Connectors/VOFS: R21#7.2 R22#7.1
Board_6-/DRV_EN: IC1#7.27 J1#7.5
Board_6-/Motor Driver/ADC_I_v: IC1#7.10
Board_6-/Motor Driver/VOFS: C10#7.1 IC1#7.12
Board_6-/SPE: IC1#7.25 R23#7.2 R24#7.1
Board_6-/SPI1_MISO: IC1#7.16 J1#7.4
Board_6-/SPI1_MOSI: IC1#7.15 J1#7.3
Board_6-/SPI1_SCK: IC1#7.14 J1#7.2
Board_6-/U: C14#7.1 R2#7.1 R7#7.1 R8#7.1 U3#7.3
Board_6-/UH: IC1#7.17 J3#7.6
Board_6-/UL: IC1#7.18 J3#7.5
Board_6-/V: C12#7.1 R12#7.1 R14#7.1 R15#7.1 U3#7.2
Board_6-/VH: IC1#7.20 J3#7.4
Board_6-/VL: IC1#7.21 J3#7.3
Board_6-/VSA: C18#7.1 IC1#7.29
Board_6-/W: C11#7.1 R5#7.1 R9#7.1 R10#7.1 U3#7.1
Board_6-/WH: IC1#7.22 J3#7.2
Board_6-/WL: IC1#7.23 J3#7.1
Board_6-/~{CS_DRIVER}: IC1#7.13 J1#7.1
Board_6-GND: C3#7.2 C7#7.2 C8#7.2 C9#7.2 C10#7.2 C11#7.2 C12#7.2 C13#7.2 C14#7.2 C15#7.2 C16#7.2 C17#7.2 C18#7.2 C19#7.2 C20#7.2 D1#7.1 D2#7.1 H201#7.1 H202#7.1 IC1#7.8 IC1#7.EPAD J2#7.2 J5#7.2 Q2#7.1 Q2#7.2 Q2#7.3 Q4#7.1 Q4#7.2 Q4#7.3 Q6#7.1 Q6#7.2 Q6#7.3 R18#7.2 R22#7.2 R24#7.2 R26#7.2 U2#7.1
Board_6-Net-(C1-Pad1): C1#7.1 IC1#7.30
Board_6-Net-(C1-Pad2): C1#7.2 IC1#7.32
Board_6-Net-(C2-Pad2): C2#7.2 IC1#7.34
Board_6-Net-(C4-Pad1): C4#7.1 IC1#7.47 Q1#7.1 Q1#7.2 Q1#7.3 Q2#7.5 Q2#7.6 Q2#7.7 Q2#7.8 R7#7.2 R8#7.2
Board_6-Net-(C4-Pad2): C4#7.2 IC1#7.1
Board_6-Net-(C5-Pad1): C5#7.1 IC1#7.36
Board_6-Net-(C5-Pad2): C5#7.2 IC1#7.38 Q3#7.1 Q3#7.2 Q3#7.3 Q4#7.5 Q4#7.6 Q4#7.7 Q4#7.8 R9#7.2 R10#7.2
Board_6-Net-(C6-Pad1): C6#7.1 IC1#7.42 Q5#7.1 Q5#7.2 Q5#7.3 Q6#7.5 Q6#7.6 Q6#7.7 Q6#7.8 R14#7.2 R15#7.2
Board_6-Net-(C6-Pad2): C6#7.2 IC1#7.44
Board_6-Net-(C17-Pad1): C17#7.1 J5#7.1 R17#7.2 R18#7.1
Board_6-Net-(D1-Pad2): D1#7.2 R19#7.1
Board_6-Net-(D2-Pad2): D2#7.2 R20#7.1
Board_6-Net-(IC1-Pad3): IC1#7.3 R6#7.2
Board_6-Net-(IC1-Pad4): IC1#7.4 R13#7.2
Board_6-Net-(IC1-Pad5): IC1#7.5 R3#7.2
Board_6-Net-(IC1-Pad24): IC1#7.24 R26#7.1
Board_6-Net-(IC1-Pad26): IC1#7.26
Board_6-Net-(IC1-Pad37): IC1#7.37 R4#7.2
Board_6-Net-(IC1-Pad39): IC1#7.39 R5#7.2
Board_6-Net-(IC1-Pad41): IC1#7.41 R12#7.2
Board_6-Net-(IC1-Pad43): IC1#7.43 R11#7.2
Board_6-Net-(IC1-Pad46): IC1#7.46 R2#7.2
Board_6-Net-(IC1-Pad48): IC1#7.48 R1#7.2
Board_6-Net-(Q1-Pad4): Q1#7.4 R1#7.1
Board_6-Net-(Q2-Pad4): Q2#7.4 R3#7.1
Board_6-Net-(Q3-Pad4): Q3#7.4 R4#7.1
Board_6-Net-(Q4-Pad4): Q4#7.4 R6#7.1
Board_6-Net-(Q5-Pad4): Q5#7.4 R11#7.1
Board_6-Net-(Q6-Pad4): Q6#7.4 R13#7.1
Board_6-Net-(R16-Pad1): R16#7.1
Board_6-Net-(R16-Pad2): R16#7.2 R17#7.1
Board_7-/+VM: C2#8.1 C3#8.1 C7#8.1 C8#8.1 C9#8.1 C15#8.1 C16#8.1 IC1#8.33 Q1#8.5 Q1#8.6 Q1#8.7 Q1#8.8 Q3#8.5 Q3#8.6 Q3#8.7 Q3#8.8 Q5#8.5 Q5#8.6 Q5#8.7 Q5#8.8 R25#8.2 U2#8.2
Board_7-/ADC_I_u: IC1#8.9 J6#8.1
Board_7-/ADC_I_v: J6#8.2
Board_7-/ADC_I_w: IC1#8.11 J6#8.3
Board_7-/Connectors/FAULT: J1#8.6
Board_7-/Connectors/Fault: R20#8.2
Board_7-/Connectors/VOFS: R21#8.2 R22#8.1
Board_7-/DRV_EN: IC1#8.27 J1#8.5
Board_7-/Motor Driver/ADC_I_v: IC1#8.10
Board_7-/Motor Driver/VOFS: C10#8.1 IC1#8.12
Board_7-/SPE: IC1#8.25 R23#8.2 R24#8.1
Board_7-/SPI1_MISO: IC1#8.16 J1#8.4
Board_7-/SPI1_MOSI: IC1#8.15 J1#8.3
Board_7-/SPI1_SCK: IC1#8.14 J1#8.2
Board_7-/U: C14#8.1 R2#8.1 R7#8.1 R8#8.1 U3#8.3
Board_7-/UH: IC1#8.17 J3#8.6
Board_7-/UL: IC1#8.18 J3#8.5
Board_7-/V: C12#8.1 R12#8.1 R14#8.1 R15#8.1 U3#8.2
Board_7-/VH: IC1#8.20 J3#8.4
Board_7-/VL: IC1#8.21 J3#8.3
Board_7-/VSA: C18#8.1 IC1#8.29
Board_7-/W: C11#8.1 R5#8.1 R9#8.1 R10#8.1 U3#8.1
Board_7-/WH: IC1#8.22 J3#8.2
Board_7-/WL: IC1#8.23 J3#8.1
Board_7-/~{CS_DRIVER}: IC1#8.13 J1#8.1
Board_7-GND: C3#8.2 C7#8.2 C8#8.2 C9#8.2 C10#8.2 C11#8.2 C12#8.2 C13#8.2 C14#8.2 C15#8.2 C16#8.2 C17#8.2 C18#8.2 C19#8.2 C20#8.2 D1#8.1 D2#8.1 H201#8.1 H202#8.1 IC1#8.8 IC1#8.EPAD J2#8.2 J5#8.2 Q2#8.1 Q2#8.2 Q2#8.3 Q4#8.1 Q4#8.2 Q4#8.3 Q6#8.1 Q6#8.2 Q6#8.3 R18#8.2 R22#8.2 R24#8.2 R26#8.2 U2#8.1
Board_7-Net-(C1-Pad1): C1#8.1 IC1#8.30
Board_7-Net-(C1-Pad2): C1#8.2 IC1#8.32
Board_7-Net-(C2-Pad2): C2#8.2 IC1#8.34
Board_7-Net-(C4-Pad1): C4#8.1 IC1#8.47 Q1#8.1 Q1#8.2 Q1#8.3 Q2#8.5 Q2#8.6 Q2#8.7 Q2#8.8 R7#8.2 R8#8.2
Board_7-Net-(C4-Pad2): C4#8.2 IC1#8.1
Board_7-Net-(C5-Pad1): C5#8.1 IC1#8.36
Board_7-Net-(C5-Pad2): C5#8.2 IC1#8.38 Q3#8.1 Q3#8.2 Q3#8.3 Q4#8.5 Q4#8.6 Q4#8.7 Q4#8.8 R9#8.2 R10#8.2
Board_7-Net-(C6-Pad1): C6#8.1 IC1#8.42 Q5#8.1 Q5#8.2 Q5#8.3 Q6#8.5 Q6#8.6 Q6#8.7 Q6#8.8 R14#8.2 R15#8.2
Board_7-Net-(C6-Pad2): C6#8.2 IC1#8.44
Board_7-Net-(C17-Pad1): C17#8.1 J5#8.1 R17#8.2 R18#8.1
Board_7-Net-(D1-Pad2): D1#8.2 R19#8.1
Board_7-Net-(D2-Pad2): D2#8.2 R20#8.1
